# Altium PCB as14120_all перед разводкой ddr.PcbDoc (part 1 of 3) (continued)
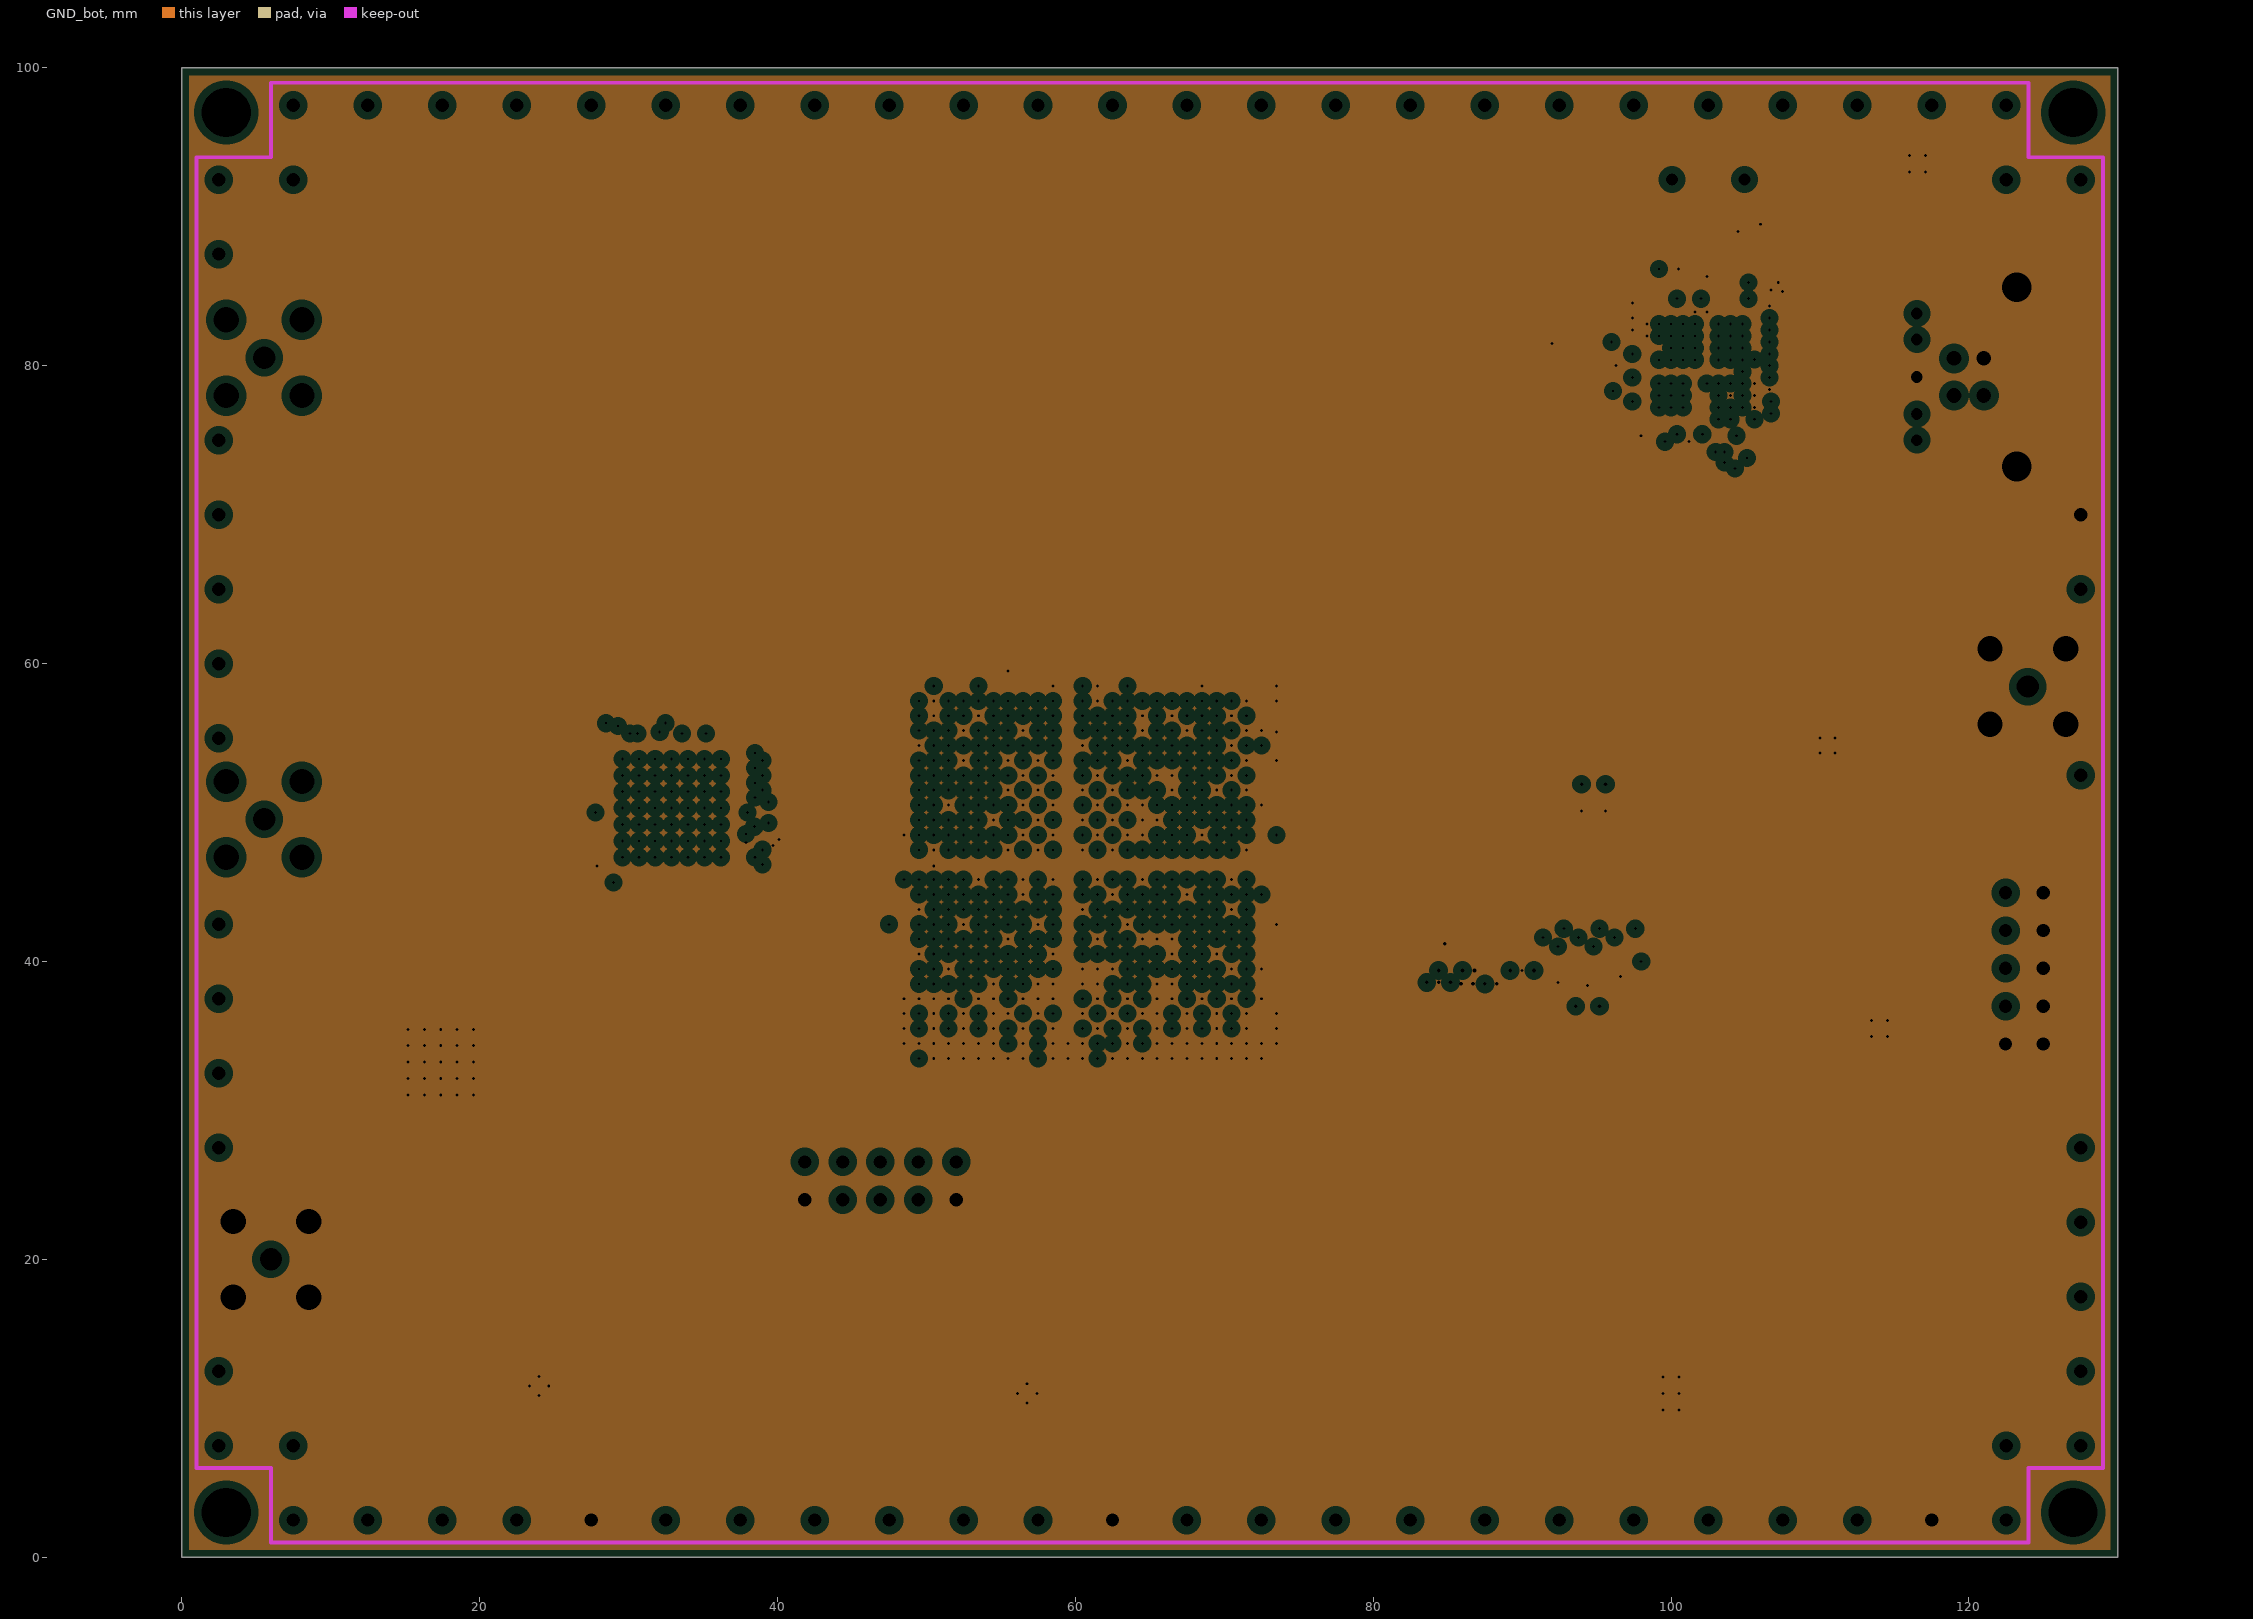
[diagram p3: GND_bot, clearances drawn from the general rule]

## Layer stack, top to bottom
Top Layer: signal copper 0.0356
Dielectric: prepreg 0.105, ?????, Dk 4.4
GND_top: plane copper 0.035, net 0V
Dielectric: core 0.2, FR-4, Dk 4.4
Signal_Power: signal copper 0.0356
Dielectric: prepreg 0.18, ???, Dk 4.4
Signal_midle: signal copper 0.0356
Dielectric: core 0.2, FR-4, Dk 4.4
GND_bot: plane copper 0.0356, net 0V
Dielectric: prepreg 0.105, FR-4, Dk 4.4
Bottom Layer: signal copper 0.0356

## Board outline
0,0 0,100 130,100 130,0

## Design rules (kind name [scope] priority, off if disabled: settings)
Clearance Clearance_bga [InComponent('D5')  Or InComponent('D1')   Or InComponent('D8')   Or InComponent('D7')] p1: gap=0.1
Clearance Clearance_diif_pairs_bga [IsDifferentialPair And  InComponentClass('bga')] p2: gap=0.1
Clearance Clearance_diif_pairs [IsDifferentialPair] p3: gap=0.15
Clearance Clearance_all [All] p4: gap=0.15
ComponentClearance [All] p1: gap=0.25 collisioncheckmode=3 verticalgap=0.254 showdistances=FALSE
DiffPairsRouting DDDR_DiffPair_DiffPairsRouting [InDifferentialPairClass('ddr_pairs')] p1: maxlimit=0.3 minlimit=0.3 mostfreqgap=0.3 maxuncoupledlength=3
DiffPairsRouting DiffPairsRouting_1 [InDifferentialPairClass('ddr_pairs')] p2: maxlimit=0.254 minlimit=0.254 mostfreqgap=0.254 maxuncoupledlength=12.7
DiffPairsRouting DiffPair_DiffPairsRouting [All] p3: maxlimit=0.2 minlimit=0.1 mostfreqgap=0.15 maxuncoupledlength=5
DiffPairsRouting [All] p4: maxlimit=0.254 minlimit=0.254 mostfreqgap=0.254 maxuncoupledlength=12.7
FanoutControl Fanout_BGA [(InComponentClass('BGA'))] p1: bgadir=Out bgaviamode=Centered fanoutstyle=BGA fanoutdirection=Alternating viagrid=0.025 // Fanout_BGA (Default Rule)
FanoutControl Fanout_LCC [IsLCC] p2: bgadir=Out bgaviamode=Centered fanoutstyle=Auto fanoutdirection=OutOnly viagrid=0.025 // Fanout_LCC (Default Rule)
FanoutControl Fanout_Small [(CompPinCount < 5)] p4: bgadir=Out bgaviamode=Centered fanoutstyle=Auto fanoutdirection=OutOnly viagrid=0.025 // Fanout_Small (Default Rule)
HoleToHoleClearance [All] p1: gap=0.127 allowstackedmicrovias=TRUE
MatchedLengths DDDR_DiffPair_MatchedLengths [InDifferentialPairClass('ddr_pairs')] p1: tolerance=5 checknetsindiffpair=TRUE checkdiffpairvsdiffpair=TRUE checkothers=TRUE
MatchedLengths [InDifferentialPairClass('ddr_pairs')] p2: tolerance=25.4 checknetsindiffpair=TRUE checkdiffpairvsdiffpair=TRUE checkothers=TRUE
MatchedLengths MatchedLengths_dq [InNetClass('dq0')] p3: tolerance=0.5 checknetsindiffpair=TRUE checkdiffpairvsdiffpair=TRUE checkothers=TRUE
MatchedLengths DiffPair_MatchedLengths [All] p4: tolerance=0.5 checknetsindiffpair=TRUE checkdiffpairvsdiffpair=TRUE checkothers=TRUE
MinimumAnnularRing [All] p1: minimumring=0.1
MinimumSolderMaskSliver [All] p1: minsoldermaskwidth=0.1
PlaneClearance [All] p1: clearance=0.508
PlaneConnect [All] p1: planeconnectstyle=Relief reliefexpansion=0.508 reliefentries=4 reliefconductorwidth=0.254 reliefairgap=0.254
PolygonConnect [All] p1: connectstyle=Relief reliefconductorwidth=0.254 reliefentries=4 polygonreliefangle="90 Angle" airgapwidth=0.254
RoutingVias RoutingVias_fbga [InComponent('D1')   Or InComponent('D8')   Or InComponent('D7')] p1: holewidth=0.2 width=0.45 viastyle="Through Hole" minholewidth=0.2 minwidth=0.45 maxholewidth=0.2 maxwidth=0.45
RoutingVias [All] p2: holewidth=0.2 width=0.55 viastyle="Through Hole" minholewidth=0.15 minwidth=0.45 maxholewidth=0.25 maxwidth=0.5
SMDToCorner [Not InAnyDifferentialPair] p1: distance=196850
SilkToSilkClearance [All] p1: silktosilkclearance=0.1
SilkToSolderMaskClearance [IsPad] p1: minsilkscreentomaskgap=0.2 clearancetoexposedcopper=TRUE
SolderMaskExpansion SolderMaskExpansion_bga [InComponent('D5')  Or InComponent('D1')   Or InComponent('D8')   Or InComponent('D7')] p1: expansion=0.05
SolderMaskExpansion SolderMaskExpansion_via [IsVia] p2: expansion=-1
SolderMaskExpansion [All] p3: expansion=0.07
UnConnectedPin [All] p1:
Width Width_ddr_power [InNetClass('ddr_power')] p1: maxlimit=3 minlimit=0.3 preferedwidth=0.3
Width DDDR_DiffPair_Width [InDifferentialPairClass('ddr_pairs')] p2: maxlimit=0.125 minlimit=0.125 preferedwidth=0.125
Width Usb_DiffPair_Width [(InDifferentialPairClass('super_speed') Or InDifferentialPairClass('usb2'))] p3: maxlimit=0.189 minlimit=0.122 preferedwidth=0.189 toplayer_maxwidth=0.122 toplayer_prefwidth=0.122 midlayer1_minwidth=0.189 midlayer2_minwidth=0.189 bottomlayer_maxwidth=0.122 bottomlayer_prefwidth=0.122 impedancedriven=TRUE minimp=50.000000 maximp=50.000000 favimp=50.000000
Width Width_bga [InComponentClass('bga')] p4: maxlimit=0.2 minlimit=0.15 preferedwidth=0.2
Width Width_ddr_addr [InNetClass('ddr_adr_ctrl')] p5: maxlimit=0.2 minlimit=0.15 preferedwidth=0.15
17 further rules are at their usual default settings.

## Classes and differential pairs
net class ddr_power: 0V V0P75D V1P5D VREF VREFDDR
differential pair class super_speed: SS_RX SS_TX
differential pair class usb2: USB
net class ddr_adr_ctrl: DDR_A0 DDR_A1 DDR_A2 DDR_A3 DDR_A4 DDR_A5 DDR_A6 DDR_A7 DDR_A8 DDR_A9 DDR_A10 DDR_A11 DDR_A12 DDR_A13 DDR_A14 DDR_BA0 DDR_BA1 DDR_BA2 DDR_CAS DDR_CK_N DDR_CK_P DDR_CKE DDR_CS DDR_ODT DDR_RAS DDR_RESET_N DDR_WE
net class ddr_dq: DDR_DM0 DDR_DM1 DDR_DM2 DDR_DM3 DDR_DQ0 DDR_DQ1 DDR_DQ2 DDR_DQ3 DDR_DQ4 DDR_DQ5 DDR_DQ6 DDR_DQ7 DDR_DQ8 DDR_DQ9 DDR_DQ10 DDR_DQ11 DDR_DQ12 DDR_DQ13 DDR_DQ14 DDR_DQ15 DDR_DQ16 DDR_DQ17 DDR_DQ18 DDR_DQ19 DDR_DQ20 DDR_DQ21 DDR_DQ22 DDR_DQ23 DDR_DQ24 DDR_DQ25 DDR_DQ26 DDR_DQ27 DDR_DQ28 DDR_DQ29 DDR_DQ30 DDR_DQ31
net class ddr_diff_pair: DDR_CK_N DDR_CK_P DDR_DQS0_N DDR_DQS0_P DDR_DQS1_N DDR_DQS1_P DDR_DQS2_N DDR_DQS2_P DDR_DQS3_N DDR_DQS3_P
differential pair class ddr_pairs: D_DDR_CK_ D_DDR_DQS0_ D_DDR_DQS1_ D_DDR_DQS2_ D_DDR_DQS3_
net class adc_diff_pair: ADC_CLK_N ADC_CLK_P ADC_D0_N ADC_D0_P ADC_D1_N ADC_D1_P ADC_D2_N ADC_D2_P ADC_D3_N ADC_D3_P ADC_D4_N ADC_D4_P ADC_D5_N ADC_D5_P ADC_D6_N ADC_D6_P ADC_D7_N ADC_D7_P ADC_D8_N ADC_D8_P ADC_D9_N ADC_D9_P ADC_D10_N ADC_D10_P ADC_D11_N ADC_D11_P ADC_D12_N ADC_D12_P ADC_D13_N ADC_D13_P ADC_DCO_N ADC_DCO_P
differential pair SS_RX: +SS_RX_P -SS_RX_N
differential pair SS_TX: +SS_TX_P -SS_TX_N
differential pair USB: +USB_P -USB_N
differential pair D_DDR_CK_: +DDR_CK_P -DDR_CK_N
differential pair D_DDR_DQS0_: +DDR_DQS0_P -DDR_DQS0_N
differential pair D_DDR_DQS1_: +DDR_DQS1_P -DDR_DQS1_N
differential pair D_DDR_DQS2_: +DDR_DQS2_P -DDR_DQS2_N
differential pair D_DDR_DQS3_: +DDR_DQS3_P -DDR_DQS3_N
differential pair D_ADC_CLK_: +ADC_CLK_P -ADC_CLK_N
differential pair D_ADC_D0_: +ADC_D0_P -ADC_D0_N
differential pair D_ADC_D1_: +ADC_D1_P -ADC_D1_N
differential pair D_ADC_D2_: +ADC_D2_P -ADC_D2_N
differential pair D_ADC_D3_: +ADC_D3_P -ADC_D3_N
differential pair D_ADC_D4_: +ADC_D4_P -ADC_D4_N
differential pair D_ADC_D5_: +ADC_D5_P -ADC_D5_N
differential pair D_ADC_D6_: +ADC_D6_P -ADC_D6_N
differential pair D_ADC_D7_: +ADC_D7_P -ADC_D7_N
differential pair D_ADC_D8_: +ADC_D8_P -ADC_D8_N
differential pair D_ADC_D9_: +ADC_D9_P -ADC_D9_N
differential pair D_ADC_D10_: +ADC_D10_P -ADC_D10_N
differential pair D_ADC_D11_: +ADC_D11_P -ADC_D11_N
differential pair D_ADC_D12_: +ADC_D12_P -ADC_D12_N
differential pair D_ADC_D13_: +ADC_D13_P -ADC_D13_N
differential pair D_ADC_DCO_: +ADC_DCO_P -ADC_DCO_N

## Components (designator, comment, footprint, x,y, rotation, side; value= is the part's Value field where it differs from the comment)
C1 "CAP 1uF 10V 0402(1005)" CAPC0402(1005)60_M 117.65,88.95 r0 bottom
C2 "CAP 1uF 10V 0402(1005)" CAPC0402(1005)60_M 108,80.9 r180 bottom
C3 "CAP 1uF 10V 0402(1005)" CAPC0402(1005)60_M 108,80 r180 bottom
C4 "CAP_0805" CAPC0805(2012)100_N 107,93 r270 bottom
C5 "CAP_0805" CAPC0805(2012)100_N 98,93 r270 bottom
C6 "CAP_0805" CAPC0805(2012)100_N 110.05,91.05 r90 top
C7 "CAP_0805" CAPC0805(2012)100_N 124,89.9 r270 bottom
C8 "CAP 1uF 10V 0402(1005)" CAPC0402(1005)60_M 109.1,84.5 r270 top
C9 "CAP 1uF 10V 0402(1005)" CAPC0402(1005)60_M 107.5,84 r270 bottom
C10 "CAP_0805" CAPC0805(2012)100_N 115.05,88.55 r270 bottom
C11 "CAP 1uF 10V 0402(1005)" CAPC0402(1005)60_M 105.6,79.9 r90 bottom
C12 "CAP_0805" CAPC0805(2012)100_N 112.55,91.55 r270 bottom
C13 "CAP 1uF 10V 0402(1005)" CAPC0402(1005)60_M 96.5,79.3 r0 bottom
C14 "CAP 1uF 10V 0402(1005)" CAPC0402(1005)60_M 100.5,85.5 r270 bottom
C15 "CAP 1uF 10V 0402(1005)" CAPC0402(1005)60_M 102.1,74.4 r90 bottom
C16 "CAP 1uF 10V 0402(1005)" CAPC0402(1005)60_M 102.5,77.5 r315 bottom
C17 "CAP 1uF 10V 0402(1005)" CAPC0402(1005)60_M 99.6,73.9 r90 bottom
C18 "CAP 1uF 10V 0402(1005)" CAPC0402(1005)60_M 96.9,81.5 r270 bottom
C19 "CAP 1uF 10V 0402(1005)" CAPC0402(1005)60_M 105.6,75.4 r90 bottom
C20 "CAP 1uF 10V 0402(1005)" CAPC0402(1005)60_M 132.5,93.5 r90 top
C21 "CAP 1uF 10V 0402(1005)" CAPC0402(1005)60_M 131.5,93.5 r90 top
C22 "CAP 1uF 10V 0402(1005)" CAPC0402(1005)60_M 133.5,93.5 r90 top
C23 "CAP 1uF 10V 0402(1005)" CAPC0402(1005)60_M 108,79 r180 bottom
C24 "CAP 1uF 10V 0402(1005)" CAPC0402(1005)60_M 106.2,85.6 r180 bottom
C25 "CAP 1uF 10V 0402(1005)" CAPC0402(1005)60_M 100.5,73.9 r90 bottom
C26 "CAP 1uF 10V 0402(1005)" CAPC0402(1005)60_M 132.2,3 r90 top
C27 "CAP 1uF 10V 0402(1005)" CAPC0402(1005)60_M 106.2,84.7 r180 bottom
C28 "CAP 1uF 10V 0402(1005)" CAPC0402(1005)60_M 102,85.5 r270 bottom
C29 "CAP 1uF 10V 0402(1005)" CAPC0402(1005)60_M 131.5,96 r90 top
C30 "CAP 1uF 10V 0402(1005)" CAPC0402(1005)60_M 133,96 r90 top
C31 "CAP 1uF 10V 0402(1005)" CAPC0402(1005)60_M 93,93 r90 bottom
C32 "CAP 1uF 10V 0402(1005)" CAPC0402(1005)60_M 134.5,99.5 r90 top
C33 "CAP 1uF 10V 0402(1005)" CAPC0402(1005)60_M 13,25 r90 top
C34 "CAP 1uF 10V 0402(1005)" CAPC0402(1005)60_M 103.8,79.5 r0 bottom
C35 "CAP 1uF 10V 0402(1005)" CAPC0402(1005)60_M 103.3,75.4 r90 bottom
C36 "CAP 1uF 10V 0402(1005)" CAPC0402(1005)60_M 104.4,74.3 r90 bottom
C37 "CAP 1uF 10V 0402(1005)" CAPC0402(1005)60_M 5.5,86 r270 bottom
C38 "CAP_0805" CAPC0805(2012)100_N 21.6,73.5 r0 top
C39 "CAP_0805" CAPC0805(2012)100_N 22,79.5 r0 top
C40 "CAP 1uF 10V 0402(1005)" CAPC0402(1005)60_M 18,66.5 r90 bottom
C41 "CAP 1uF 10V 0402(1005)" CAPC0402(1005)60_M 33,54.5 r270 bottom
C42 "CAP 1uF 10V 0402(1005)" CAPC0402(1005)60_M 33.9,54.5 r270 bottom
C43 "CAP 1uF 10V 0402(1005)" CAPC0402(1005)60_M 26.5,55 r0 top
C44 "CAP 1uF 10V 0402(1005)" CAPC0402(1005)60_M 26.5,54 r0 top
C45 "CAP 1uF 10V 0402(1005)" CAPC0402(1005)60_M 10,50 r90 top
C46 "CAP_0805" CAPC0805(2012)100_N 16,63.5 r180 top
C47 "CAP_0805" CAPC0805(2012)100_N 16,58.5 r180 top
C48 "CAP 1uF 10V 0402(1005)" CAPC0402(1005)60_M 28.7,50 r180 bottom
C49 "CAP 1uF 10V 0402(1005)" CAPC0402(1005)60_M 37,50 r0 bottom
C50 "CAP 1uF 10V 0402(1005)" CAPC0402(1005)60_M 39.2,48.2 r180 top
C51 "CAP 1uF 10V 0402(1005)" CAPC0402(1005)60_M 28.2,45.3 r0 bottom
C52 "CAP 1uF 10V 0402(1005)" CAPC0402(1005)60_M 30.4,54.4 r90 bottom
C53 "CAP 1uF 10V 0402(1005)" CAPC0402(1005)60_M 35.1,54.4 r90 bottom
C54 "CAP 1uF 10V 0402(1005)" CAPC0402(1005)60_M 29.5,54.4 r90 bottom
C55 "CAP 1uF 10V 0402(1005)" CAPC0402(1005)60_M 16,78 r180 bottom
C56 "CAP 1uF 10V 0402(1005)" CAPC0402(1005)60_M 12,31 r0 top
C57 "CAP 1uF 10V 0402(1005)" CAPC0402(1005)60_M 21,31 r180 bottom
C58 "CAP 1uF 10V 0402(1005)" CAPC0402(1005)60_M 21,33.5 r180 bottom
C59 "CAP 1uF 10V 0402(1005)" CAPC0402(1005)60_M 21,35.5 r180 bottom
C60 "CAP 1uF 10V 0402(1005)" CAPC0402(1005)60_M 17.5,36.5 r90 bottom
C61 "CAP 1uF 10V 0402(1005)" CAPC0402(1005)60_M 14,36 r180 bottom
C62 "CAP 1uF 10V 0402(1005)" CAPC0402(1005)60_M 14,35 r180 bottom
C63 "CAP 1uF 10V 0402(1005)" CAPC0402(1005)60_M 12,30 r0 top
C64 "CAP 1uF 10V 0402(1005)" CAPC0402(1005)60_M 12,32 r0 top
C65 "CAP_0805" CAPC0805(2012)100_N 8,33.5 r0 top
C66 "CAP_0805" CAPC0805(2012)100_N 8,35.5 r0 top
C67 "CAP 1uF 10V 0402(1005)" CAPC0402(1005)60_M 6,22.5 r90 bottom
C68 "CAP 1uF 10V 0402(1005)" CAPC0402(1005)60_M 89.5,36 r90 top
C69 "CAP 1uF 10V 0402(1005)" CAPC0402(1005)60_M 92.5,48.5 r270 top
C70 "CAP 1uF 10V 0402(1005)" CAPC0402(1005)60_M 92.5,63.5 r270 top
C71 "CAP 1uF 10V 0402(1005)" CAPC0402(1005)60_M 89.5,51 r90 top
C72 "CAP 1uF 10V 0402(1005)" CAPC0402(1005)60_M 81.2,85.6 r180 top
C73 "CAP 1uF 10V 0402(1005)" CAPC0402(1005)60_M 109.2,66.5 r180 top
C74 "CAP 1uF 10V 0402(1005)" CAPC0402(1005)60_M 94,63.5 r270 top
C75 "CAP 1uF 10V 0402(1005)" CAPC0402(1005)60_M 89.5,63.5 r270 top
C76 "CAP 1uF 10V 0402(1005)" CAPC0402(1005)60_M 77.3,85.8 r180 top
C77 "CAP 1uF 10V 0402(1005)" CAPC0402(1005)60_M 105.5,43.5 r180 top
C78 "CAP 1uF 10V 0402(1005)" CAPC0402(1005)60_M 82,45.5 r270 top
C79 "CAP 1uF 10V 0402(1005)" CAPC0402(1005)60_M 86,63.5 r270 top
C80 "CAP 1uF 10V 0402(1005)" CAPC0402(1005)60_M 85,63.5 r270 top
C81 "CAP 1uF 10V 0402(1005)" CAPC0402(1005)60_M 105.5,42.5 r180 top
C82 "CAP 1uF 10V 0402(1005)" CAPC0402(1005)60_M 85,48.5 r270 top
C83 "CAP 1uF 10V 0402(1005)" CAPC0402(1005)60_M 86,48.5 r270 top
C84 "CAP 1uF 10V 0402(1005)" CAPC0402(1005)60_M 87,48.5 r270 top
C85 "CAP 1uF 10V 0402(1005)" CAPC0402(1005)60_M 89.5,48.5 r270 top
C86 "CAP 1uF 10V 0402(1005)" CAPC0402(1005)60_M 103,44 r180 top
C87 "CAP 1uF 10V 0402(1005)" CAPC0402(1005)60_M 103,45.5 r180 top
C88 "CAP 1uF 10V 0402(1005)" CAPC0402(1005)60_M 105.5,44.5 r180 top
C89 "CAP 1uF 10V 0402(1005)" CAPC0402(1005)60_M 105.5,41.5 r180 top
C90 "CAP 1uF 10V 0402(1005)" CAPC0402(1005)60_M 102,65.5 r180 top
C91 "CAP 1uF 10V 0402(1005)" CAPC0402(1005)60_M 94,48.5 r270 top
C93 "CAP 1uF 10V 0402(1005)" CAPC0402(1005)60_M 84,36 r90 top
C94 "CAP 1uF 10V 0402(1005)" CAPC0402(1005)60_M 85.5,36 r90 top
C95 "CAP 1uF 10V 0402(1005)" CAPC0402(1005)60_M 88,36 r90 top
C96 "CAP 1uF 10V 0402(1005)" CAPC0402(1005)60_M 93.5,36 r90 top
C97 "CAP 1uF 10V 0402(1005)" CAPC0402(1005)60_M 95.5,36 r90 top
C98 "CAP 1uF 10V 0402(1005)" CAPC0402(1005)60_M 105.5,40.5 r180 top
C99 "CAP 1uF 10V 0402(1005)" CAPC0402(1005)60_M 88,51 r90 top
C100 "CAP 1uF 10V 0402(1005)" CAPC0402(1005)60_M 94,51 r90 top
C101 "CAP 1uF 10V 0402(1005)" CAPC0402(1005)60_M 86.5,51 r90 top
C102 "CAP 1uF 10V 0402(1005)" CAPC0402(1005)60_M 95.5,51 r90 top
C103 "CAP 1uF 10V 0402(1005)" CAPC0402(1005)60_M 84,51 r90 top
C104 "CAP 1uF 10V 0402(1005)" CAPC0402(1005)60_M 85.5,51 r90 top
C105 "CAP 1uF 10V 0402(1005)" CAPC0402(1005)60_M 95.5,63.5 r270 top
C106 "CAP 1uF 10V 0402(1005)" CAPC0402(1005)60_M 87,63.5 r270 top
C107 "CAP 1uF 10V 0402(1005)" CAPC0402(1005)60_M 109.2,65.5 r180 top
C108 "CAP 1uF 10V 0402(1005)" CAPC0402(1005)60_M 105.2,65.5 r180 top
C110 "CAP 1uF 10V 0402(1005)" CAPC0402(1005)60_M 81.2,84.6 r0 top
C111 "CAP 1uF 10V 0402(1005)" CAPC0402(1005)60_M 105.6,57 r90 top
C112 "CAP_0805" CAPC0805(2012)100_N 108.525,55.5 r180 bottom
C113 "CAP_0805" CAPC0805(2012)100_N 108.525,53.5 r180 bottom
C114 "CAP_0805" CAPC0805(2012)100_N 108.525,51.5 r180 bottom
C115 "CAP_0805" CAPC0805(2012)100_N 112.025,53.5 r0 bottom
C116 "CAP_0805" CAPC0805(2012)100_N 112.025,51.5 r0 bottom
C117 "CAP_0805" CAPC0805(2012)100_N 108.525,57.5 r180 bottom
C118 "CAP_0805" CAPC0805(2012)100_N 112.025,55.5 r0 bottom
C119 "CAP_0805" CAPC0805(2012)100_N 112.025,57.5 r0 bottom
C120 "CAP 1uF 10V 0402(1005)" CAPC0402(1005)60_M 59.5,49.5 r180 bottom
C121 "CAP 1uF 10V 0402(1005)" CAPC0402(1005)60_M 59.5,51.5 r180 bottom
C122 "CAP 1uF 10V 0402(1005)" CAPC0402(1005)60_M 55.5,46.5 r270 bottom
C123 "CAP 1uF 10V 0402(1005)" CAPC0402(1005)60_M 56.5,46.5 r90 bottom
C124 "CAP 1uF 10V 0402(1005)" CAPC0402(1005)60_M 57.5,46.5 r270 bottom
C125 "CAP 1uF 10V 0402(1005)" CAPC0402(1005)60_M 59.5,45.5 r0 bottom
C126 "CAP 1uF 10V 0402(1005)" CAPC0402(1005)60_M 59.5,52.5 r0 bottom
C127 "CAP 1uF 10V 0402(1005)" CAPC0402(1005)60_M 63,35 r135 bottom
C128 "CAP 1uF 10V 0402(1005)" CAPC0402(1005)60_M 53,55 r315 bottom
C129 "CAP 1uF 10V 0402(1005)" CAPC0402(1005)60_M 67.5,55 r270 bottom
C130 "CAP 1uF 10V 0402(1005)" CAPC0402(1005)60_M 56,38 r135 bottom
C131 "CAP 1uF 10V 0402(1005)" CAPC0402(1005)60_M 66,39 r45 bottom
C132 "CAP 1uF 10V 0402(1005)" CAPC0402(1005)60_M 59.5,50.5 r0 bottom
C133 "CAP 1uF 10V 0402(1005)" CAPC0402(1005)60_M 59.5,48.5 r0 bottom
C134 "CAP 1uF 10V 0402(1005)" CAPC0402(1005)60_M 58.5,46.5 r90 bottom
C135 "CAP 1uF 10V 0402(1005)" CAPC0402(1005)60_M 62.5,46.5 r270 bottom
C136 "CAP 1uF 10V 0402(1005)" CAPC0402(1005)60_M 61.5,46.5 r90 bottom
C137 "CAP 1uF 10V 0402(1005)" CAPC0402(1005)60_M 60.5,46.5 r270 bottom
C138 "CAP 1uF 10V 0402(1005)" CAPC0402(1005)60_M 59.5,47.5 r180 bottom
C139 "CAP 1uF 10V 0402(1005)" CAPC0402(1005)60_M 51,47 r0 bottom
C140 "CAP 1uF 10V 0402(1005)" CAPC0402(1005)60_M 69,40.5 r180 bottom
C141 "CAP 1uF 10V 0402(1005)" CAPC0402(1005)60_M 58.5,31 r315 bottom
C142 "CAP 1uF 10V 0402(1005)" CAPC0402(1005)60_M 53,53 r315 bottom
C143 "CAP 1uF 10V 0402(1005)" CAPC0402(1005)60_M 69,48 r315 bottom
C144 "CAP 1uF 10V 0402(1005)" CAPC0402(1005)60_M 59.1,53.5 r180 bottom
C145 "CAP 1uF 10V 0402(1005)" CAPC0402(1005)60_M 57,37 r225 bottom
C146 "CAP 1uF 10V 0402(1005)" CAPC0402(1005)60_M 59.5,37.5 r0 bottom
C147 "CAP 1uF 10V 0402(1005)" CAPC0402(1005)60_M 59.5,36.5 r180 bottom
C148 "CAP 1uF 10V 0402(1005)" CAPC0402(1005)60_M 59.5,35.5 r0 bottom
C149 "CAP 1uF 10V 0402(1005)" CAPC0402(1005)60_M 65,35 r135 bottom
C150 "CAP 1uF 10V 0402(1005)" CAPC0402(1005)60_M 64,46.5 r180 bottom
C151 "CAP 1uF 10V 0402(1005)" CAPC0402(1005)60_M 52,40 r45 bottom
C152 "CAP 1uF 10V 0402(1005)" CAPC0402(1005)60_M 60,28.5 r135 bottom
C153 "CAP 1uF 10V 0402(1005)" CAPC0402(1005)60_M 69,52 r135 bottom
C154 "CAP 1uF 10V 0402(1005)" CAPC0402(1005)60_M 68,44 r315 bottom
C155 "CAP 1uF 10V 0402(1005)" CAPC0402(1005)60_M 69,51 r225 bottom
C156 "CAP 1uF 10V 0402(1005)" CAPC0402(1005)60_M 68,46.5 r0 bottom
C157 "CAP 1uF 10V 0402(1005)" CAPC0402(1005)60_M 64,54 r45 bottom
C158 "CAP 1uF 10V 0402(1005)" CAPC0402(1005)60_M 62.75,54.25 r135 bottom
C159 "CAP 1uF 10V 0402(1005)" CAPC0402(1005)60_M 60,55 r90 bottom
C160 "CAP 1uF 10V 0402(1005)" CAPC0402(1005)60_M 56,55.5 r180 bottom
C161 "CAP 1uF 10V 0402(1005)" CAPC0402(1005)60_M 70,54.5 r180 bottom
C162 "CAP 1uF 10V 0402(1005)" CAPC0402(1005)60_M 57.5,54 r90 bottom
C163 "CAP 1uF 10V 0402(1005)" CAPC0402(1005)60_M 47.3,51.9 r0 bottom
C164 "CAP 1uF 10V 0402(1005)" CAPC0402(1005)60_M 52.5,43 r90 bottom
C165 "CAP 1uF 10V 0402(1005)" CAPC0402(1005)60_M 70.5,39 r270 bottom
C166 "CAP 1uF 10V 0402(1005)" CAPC0402(1005)60_M 67,40 r315 bottom
C167 "CAP 1uF 10V 0402(1005)" CAPC0402(1005)60_M 72,48 r90 bottom
C168 "CAP 1uF 10V 0402(1005)" CAPC0402(1005)60_M 70.5,44 r90 bottom
C169 "CAP 1uF 10V 0402(1005)" CAPC0402(1005)60_M 64.5,51 r90 bottom
C170 "CAP 1uF 10V 0402(1005)" CAPC0402(1005)60_M 72,55 r315 bottom
C171 "CAP 1uF 10V 0402(1005)" CAPC0402(1005)60_M 70,46 r180 bottom
C172 "CAP 1uF 10V 0402(1005)" CAPC0402(1005)60_M 72.5,41.5 r180 bottom
C173 "CAP 1uF 10V 0402(1005)" CAPC0402(1005)60_M 66,46.5 r0 bottom
C174 "CAP 1uF 10V 0402(1005)" CAPC0402(1005)60_M 71,52.5 r0 bottom
C175 "CAP 1uF 10V 0402(1005)" CAPC0402(1005)60_M 64.5,41 r270 bottom
C176 "CAP 1uF 10V 0402(1005)" CAPC0402(1005)60_M 59.4,57 r270 bottom
C177 "CAP 1uF 10V 0402(1005)" CAPC0402(1005)60_M 55,54 r135 bottom
C178 "CAP 1uF 10V 0402(1005)" CAPC0402(1005)60_M 49.3,46.4 r180 bottom
C179 "CAP 1uF 10V 0402(1005)" CAPC0402(1005)60_M 46.1,53.9 r0 bottom
C180 "CAP 1uF 10V 0402(1005)" CAPC0402(1005)60_M 46.1,53 r0 bottom
C181 "CAP 1uF 10V 0402(1005)" CAPC0402(1005)60_M 46.5,42.5 r0 bottom
C182 "CAP 1uF 10V 0402(1005)" CAPC0402(1005)60_M 49,49 r45 bottom
C183 "CAP 1uF 10V 0402(1005)" CAPC0402(1005)60_M 52,50.5 r0 bottom
C184 "CAP 1uF 10V 0402(1005)" CAPC0402(1005)60_M 53,46 r180 bottom
C185 "CAP 1uF 10V 0402(1005)" CAPC0402(1005)60_M 70,56.5 r180 bottom
C186 "CAP 1uF 10V 0402(1005)" CAPC0402(1005)60_M 62.5,58.5 r0 bottom
C187 "CAP 1uF 10V 0402(1005)" CAPC0402(1005)60_M 55.5,58.5 r270 bottom
C188 "CAP 1uF 10V 0402(1005)" CAPC0402(1005)60_M 65,55 r315 bottom
C189 "CAP 1uF 10V 0402(1005)" CAPC0402(1005)60_M 49,38 r45 bottom
C190 "CAP 1uF 10V 0402(1005)" CAPC0402(1005)60_M 50,41 r45 bottom
C191 "CAP 1uF 10V 0402(1005)" CAPC0402(1005)60_M 58.5,28.5 r135 bottom
C192 "CAP 1uF 10V 0402(1005)" CAPC0402(1005)60_M 56.854,39.146 r135 bottom
C193 "CAP 1uF 10V 0402(1005)" CAPC0402(1005)60_M 51,56 r315 bottom
C194 "CAP 1uF 10V 0402(1005)" CAPC0402(1005)60_M 61,58 r135 bottom
C195 "CAP 1uF 10V 0402(1005)" CAPC0402(1005)60_M 50.5,58 r90 bottom
C196 "CAP 1uF 10V 0402(1005)" CAPC0402(1005)60_M 66.5,57 r90 bottom
C197 "AVX_B" AVX_B 52.5,18.54 r270 top
C198 "AVX_B" AVX_B 54.96,18 r0 top
C199 "AVX_D" AVX_D 117,13 r0 top
C200 "CAP_0805" CAPC0805(2012)100_N 27.5,17 r270 top
C201 "CAP_0805" CAPC0805(2012)100_N 102,16 r180 top
C202 "CAP_0805" CAPC0805(2012)100_N 98.1,16 r0 top
C203 "CAP_0805" CAPC0805(2012)100_N 112.5,8.5 r90 top
C204 "CAP_0805" CAPC0805(2012)100_N 114.5,8.5 r90 top
C205 "CAP_0805" CAPC0805(2012)100_N 25.5,15.5 r90 top
C206 "AVX_D" AVX_D 117.28,18.6 r0 top
C207 "AVX_B" AVX_B 49.23,14 r180 top
C208 "AVX_B" AVX_B 49.23,10.5 r180 top
C209 "AVX_B" AVX_B 49.04,17.5 r180 top
C210 "AVX_B" AVX_B 49.23,7 r180 top
C211 "CAP_0805" CAPC0805(2012)100_N 110,13 r180 top
C212 "CAP_0805" CAPC0805(2012)100_N 107,15 r180 top
C213 "CAP_0805" CAPC0805(2012)100_N 102,6 r180 top
C214 "CAP_0805" CAPC0805(2012)100_N 98.1,6 r0 top
C215 "CAP_0805" CAPC0805(2012)100_N 27.5,7 r90 top
C216 "CAP_0805" CAPC0805(2012)100_N 87.5,8 r90 top
C217 "CAP_0805" CAPC0805(2012)100_N 85.5,8 r270 top